# KiCad board raw.kicad_pcb
title: BMS slave Prototype; rev: 1
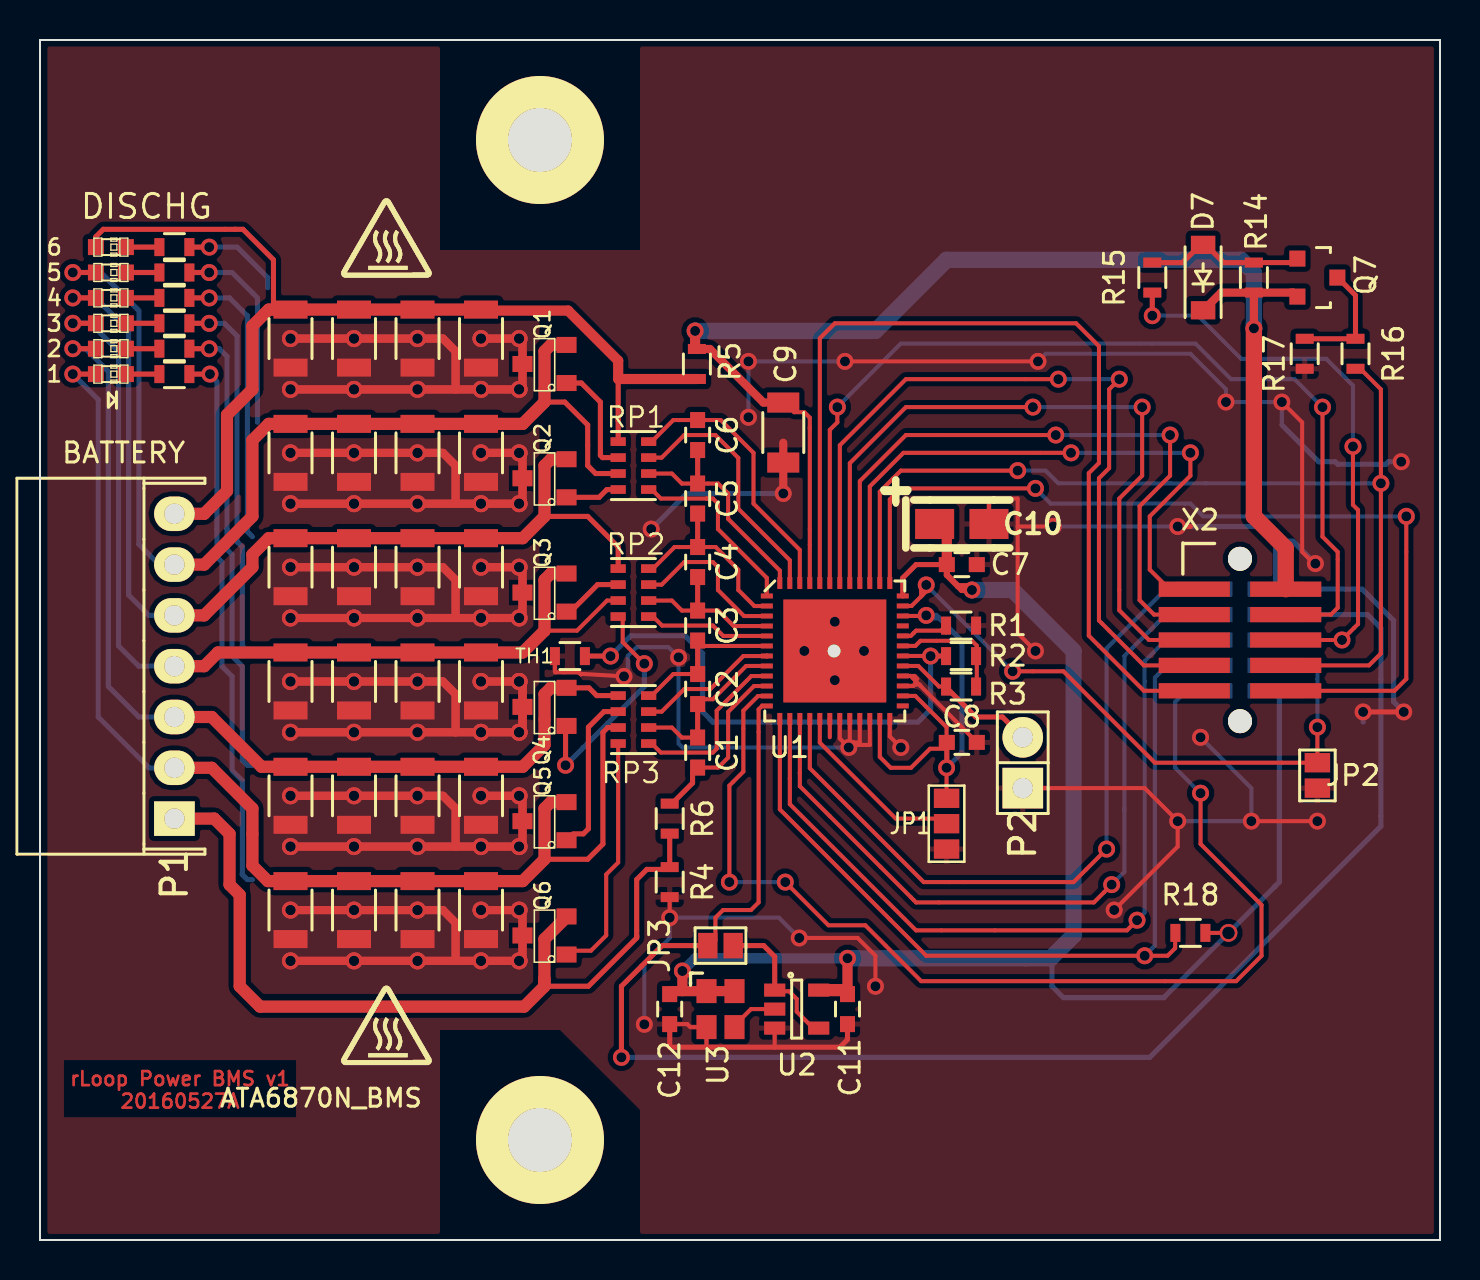
[diagram p0: board, top side]
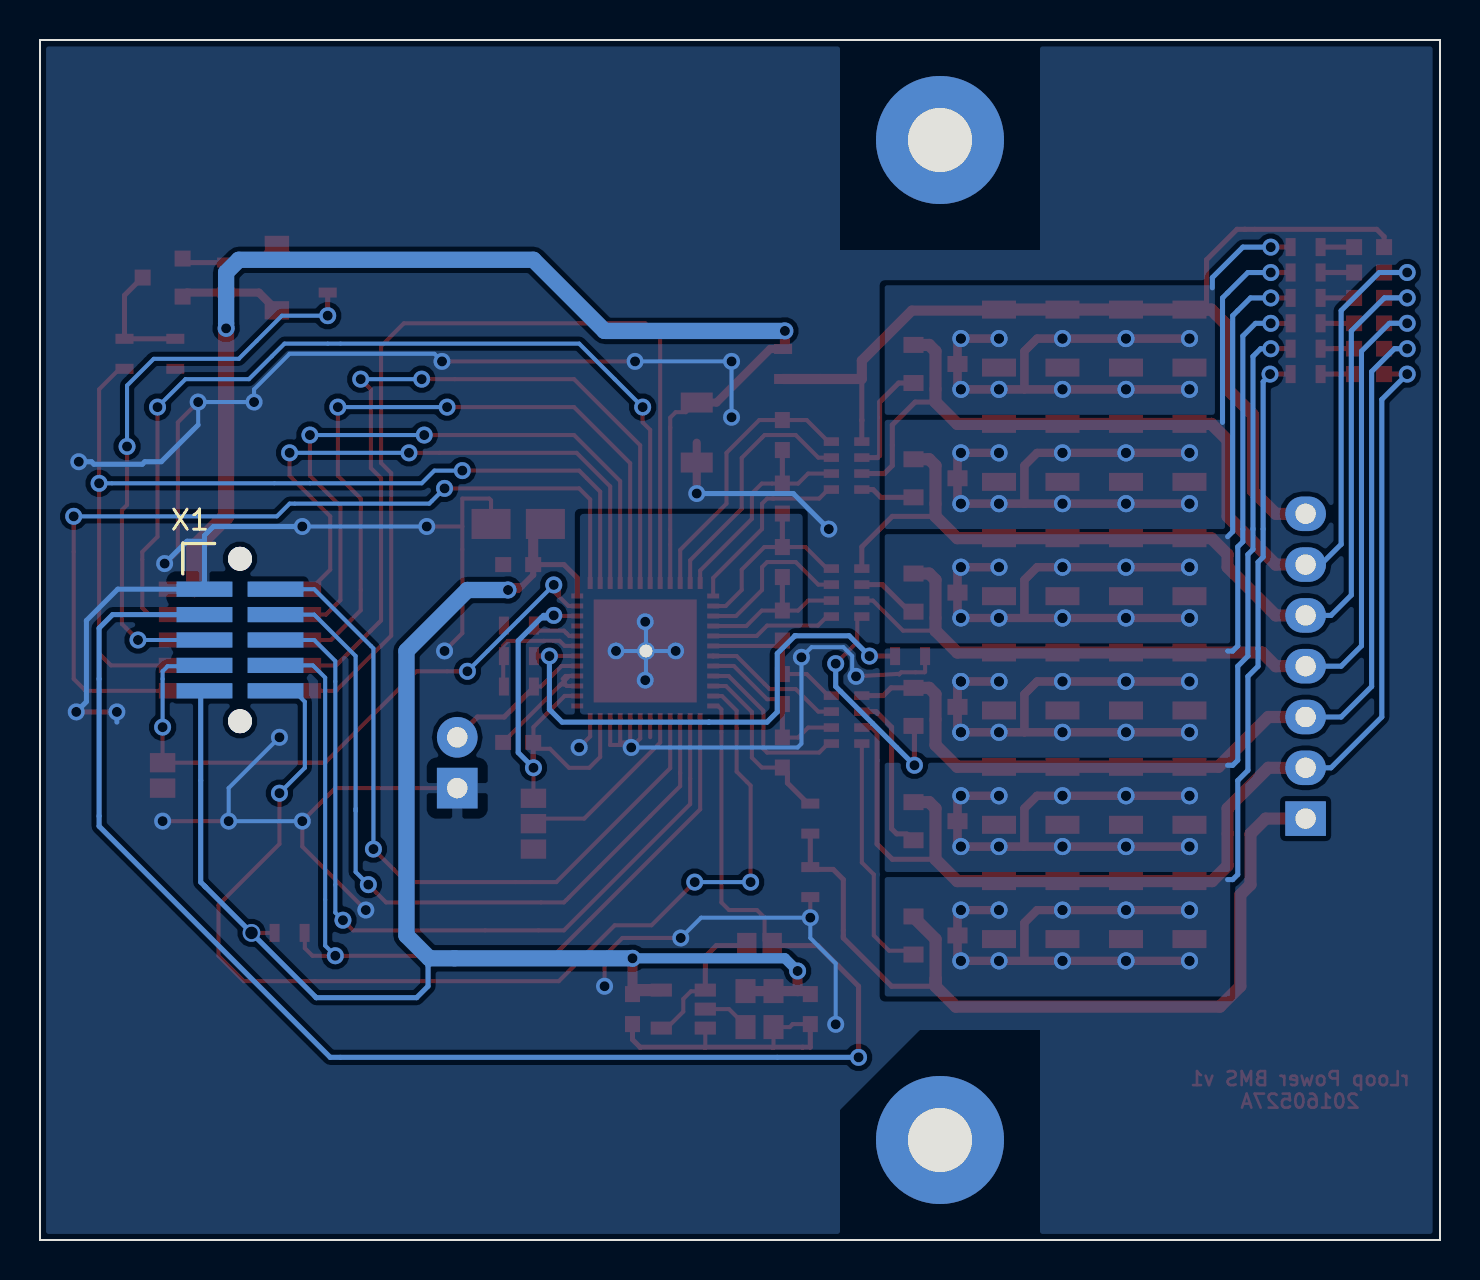
[diagram p1: board, bottom side, seen from below]

Outline 70 x 60 mm; copper layers: Top, Bottom. Coordinates in mm from the lower left corner of the outline.
Outline path: 0,60 0,0 70,0 70,60 0,60

## Placement (name value [footprint] x y rotation side)
28 mil Id via  via  [35-Od-28mil-Id-via]  39.7 29.45 0 top
C1  100nF  [C_0603]  32.88 24.37 270 top
C2  100nF  [C_0603]  32.88 27.55 270 top
C3  100nF  [C_0603]  32.88 30.72 270 top
C4  100nF  [C_0603]  32.88 33.9 270 top
C5  100nF  [C_0603]  32.88 37.07 270 top
C6  100nF  [C_0603]  32.88 40.25 270 top
C7  100nF  [C_0603]  46.09 33.77 0 top
C8  100nF  [C_0603]  46.09 24.88 0 top
C9  10uF PolC  [C_1206]  37.16 40.37 270 top
C10  33uF  [TantalC_SizeA_EIA-3216_Reflow]  46.09 35.8 0 top
C11  100nF  [C_0603]  40.38 11.54 90 top
C12  100nF  [C_0603]  31.49 11.54 270 top
D1  LED  [LED-0603]  3.54 49.64 0 top
D2  LED  [LED-0603]  3.54 48.38 0 top
D3  LED  [LED-0603]  3.54 47.11 0 top
D4  LED  [LED-0603]  3.54 45.83 0 top
D5  LED  [LED-0603]  3.54 44.56 0 top
D6  LED  [LED-0603]  3.54 43.3 0 top
D7  8V Zener  [SOD-123]  58.16 48.12 90 top
danger_hot_small  -  [danger_hot_small]  14.97 52.19 0 top
danger_hot_small#2  -  [danger_hot_small]  14.97 12.81 0 top
JP1  JUMPER3  [GS3]  45.33 20.82 0 top
JP2  Jumper_NC_Small  [GS2]  63.87 23.23 0 top
JP3  Jumper_NC_Small  [GS2]  34.03 14.72 270 top
MH  MountingHole_2-5mm_RevA_Date21Jun2010  [SCREWPAD-M3]  25 5 0 top
MH#2  MountingHole_2-5mm_RevA_Date21Jun2010  [SCREWPAD-M3]  25 55 0 top
P1  CONN_01X07  [Shrouded_Header_Angled_1x07]  6.72 28.69 90 top
P2  EXT-TMP  [Pin_Header_Straight_1x02]  49.14 23.86 90 top
P5  CONN_01X01  [1Pin]  39.7 29.45 0 bottom
Q1  BSS138  [SOT-23]  25.23 43.8 90 top
Q2  BSS138  [SOT-23]  25.23 38.09 90 top
Q3  BSS138  [SOT-23]  25.23 32.37 90 top
Q4  BSS138  [SOT-23]  25.23 26.66 90 top
Q5  BSS138  [SOT-23]  25.23 20.94 90 top
Q6  BSS138  [SOT-23]  25.23 15.23 90 top
Q7  Q_PMOS  [SOT-23#2]  63.87 48.12 270 top
R1  121KΩ  [R_0603]  46.05 30.72 180 top
R2  10KΩ  [R_0603]  46.05 29.2 180 top
R3  10KΩ  [R_0603]  46.05 27.67 180 top
R4  10Ω  [R_0603]  31.49 17.9 90 top
R5  10Ω  [R_0603]  32.85 43.8 270 top
R6  1K  [R_0603]  31.49 21.07 270 top
R7  100Ω  [R_0603]  6.72 43.3 180 top
R8  100Ω  [R_0603]  6.72 44.56 180 top
R9  100Ω  [R_0603]  6.72 45.83 180 top
R10  100Ω  [R_0603]  6.72 47.11 180 top
R11  100Ω  [R_0603]  6.72 48.38 180 top
R12  100Ω  [R_0603]  6.72 49.64 180 top
R13  82.5Ω  [R_1206]  12.53 27.93 270 top
R14  10KΩ  [R_0603]  60.69 48.12 90 top
R15  10KΩ  [R_0603]  55.62 48.12 90 top
R16  150Ω  [R_0603]  65.78 44.31 270 top
R17  10KΩ  [R_0603]  63.24 44.31 90 top
R18  10K  [R_0603]  57.52 15.35 0 top
R20  82.5Ω  [R_1206]  15.7 45.07 270 top
R21  82.5Ω  [R_1206]  12.53 45.07 270 top
R22  82.5Ω  [R_1206]  22.05 45.07 270 top
R23  82.5Ω  [R_1206]  18.88 45.07 270 top
R24  82.5Ω  [R_1206]  12.53 39.36 270 top
R25  82.5Ω  [R_1206]  15.7 39.36 270 top
R26  82.5Ω  [R_1206]  18.88 39.36 270 top
R27  82.5Ω  [R_1206]  22.05 39.36 270 top
R28  82.5Ω  [R_1206]  18.88 33.64 270 top
R29  82.5Ω  [R_1206]  22.05 33.64 270 top
R30  82.5Ω  [R_1206]  15.7 33.64 270 top
R31  82.5Ω  [R_1206]  12.53 33.64 270 top
R32  82.5Ω  [R_1206]  22.05 27.93 270 top
R33  82.5Ω  [R_1206]  18.88 27.93 270 top
R34  82.5Ω  [R_1206]  15.7 27.93 270 top
R35  82.5Ω  [R_1206]  22.05 22.21 270 top
R36  82.5Ω  [R_1206]  12.53 22.21 270 top
R37  82.5Ω  [R_1206]  15.7 22.21 270 top
R38  82.5Ω  [R_1206]  18.88 22.21 270 top
R39  82.5Ω  [R_1206]  18.88 16.5 270 top
R40  82.5Ω  [R_1206]  22.05 16.5 270 top
R41  82.5Ω  [R_1206]  15.7 16.5 270 top
R42  82.5Ω  [R_1206]  12.53 16.5 270 top
RP1  1K_PACK  [R_Cat16-4]  29.67 38.72 180 top
RP2  1K_PACK  [R_Cat16-4]  29.67 32.37 180 top
RP3  1K_PACK  [R_Cat16-4]  29.67 26.02 180 top
TH1  THERMISTOR  [R_0603]  26.5 29.2 180 top
U1  ATA6870N_BMS  [QFN-48-1EP-refined]  39.74 29.45 0 top
U2  D_Flip_Flop_w_Inv_Out  [SOT-23-5]  37.84 11.54 0 top
U3  1MHz Oscillator  [Oscillator_SMD_4_pin_2.5x2mm]  34.03 11.54 270 top
X1  AMPMODU-02X05  [AMPMODU-FEMALE-02X05-0.05in-MECHHOLES]  60 30 180 bottom
X2  AMPMODU-02X05  [AMPMODU-02X05-0.05in-NOHOLES]  60 30 0 top

## Footprints (pads in the part's own frame, mm; a bottom-side part is the same pattern mirrored in y, then rotated)
35-Od-28mil-Id-via
  round 0.889 hole 0.635: 1(0,0)
AMPMODU-02X05-0.05in-NOHOLES
  rect 3.556x0.762 smd: 1(-2.286,2.54) 2(2.286,2.54) 3(-2.286,1.27) 4(2.286,1.27) 5(-2.286,0) 6(2.286,0) 7(-2.286,-1.27) 8(2.286,-1.27) 9(-2.286,-2.54) 10(2.286,-2.54)
AMPMODU-FEMALE-02X05-0.05in-MECHHOLES
  round 1.2 hole 1.2 unplated: (0,-4.06) (0,4.06)
  rect 2.794x0.762 smd: 1(-1.778,2.54) 2(1.778,2.54) 3(-1.778,1.27) 4(1.778,1.27) 5(-1.778,0) 6(1.778,0) 7(-1.778,-1.27) 8(1.778,-1.27) 9(-1.778,-2.54) 10(1.778,-2.54)
C_0603
  rect 0.8x0.75 smd: 1(-0.75,0) 2(0.75,0)
C_1206
  rect 1x1.6 smd: 1(-1.5,0) 2(1.5,0)
GS2
  rect 1.27x0.965 smd: 1(0,0.635) 2(0,-0.635)
GS3
  rect 1.27x0.965 smd: 1(0,1.27) 2(0,0) 3(0,-1.27)
LED-0603
  rect 0.798x0.798 smd: 1(-0.749,0) 2(0.749,0)
Oscillator_SMD_4_pin_2.5x2mm
  rect 1.2x1 smd: 1(-0.9,-0.7) 2(0.9,-0.7) 3(0.9,0.7) 4(-0.9,0.7)
Pin_Header_Straight_1x02
  rect 2.032x2.032 hole 1.016: 1(-1.27,0)
  oval 2.032x2.032 hole 1.016: 2(1.27,0)
QFN-48-1EP-refined
  rect 1.7x1.7 smd: (-1.27,1.27) (-1.27,-1.27) (1.27,1.27) (1.27,-1.27)
  rect 0.599x0.249 smd: 1(-3.399,2.748) 2(-3.399,2.248) 3(-3.399,1.748) 4(-3.399,1.247) 5(-3.399,0.749) 6(-3.399,0.249) 7(-3.399,-0.251) 8(-3.399,-0.752) 9(-3.399,-1.252) 10(-3.399,-1.753) 11(-3.399,-2.253) 12(-3.399,-2.751) 25(3.399,-2.748) 26(3.401,-2.248) 27(3.401,-1.75) 28(3.401,-1.25) 29(3.401,-0.749) 30(3.401,-0.249) 31(3.401,0.251) 32(3.401,0.752) 33(3.399,1.252) 34(3.399,1.75) 35(3.399,2.25) 36(3.399,2.751)
  rect 0.249x0.599 smd: 13(-2.748,-3.401) 14(-2.248,-3.401) 15(-1.748,-3.401) 16(-1.25,-3.401) 17(-0.749,-3.401) 18(-0.25,-3.4) 19(0.249,-3.401) 20(0.749,-3.401) 21(1.25,-3.401) 22(1.75,-3.401) 23(2.25,-3.401) 24(2.751,-3.401) 37(2.751,3.399) 38(2.25,3.399) 39(1.75,3.399) 40(1.252,3.399) 41(0.752,3.399) 42(0.251,3.399) 43(-0.249,3.399) 44(-0.749,3.399) 45(-1.25,3.399) 46(-1.75,3.399) 47(-2.248,3.399) 48(-2.748,3.399)
  rect 5.15x5.15 smd: 49(0,0)
R_0603
  rect 0.5x0.9 smd: 1(-0.75,0) 2(0.75,0)
R_1206
  rect 0.9x1.7 smd: 1(-1.45,0) 2(1.45,0)
R_Cat16-4
  rect 0.762x0.432 smd: 1(0.762,-1.199) 2(0.762,-0.399) 3(0.762,0.399) 4(0.762,1.199) 5(-0.762,1.199) 6(-0.762,0.399) 7(-0.762,-0.399) 8(-0.762,-1.199)
SCREWPAD-M3
  round 6.4 hole 3.2: 1(0,0)
Shrouded_Header_Angled_1x07
  rect 1.727x2.032 hole 1.016: 1(-7.62,0)
  oval 1.727x2.032 hole 1.016: 2(-5.08,0) 3(-2.54,0) 4(0,0) 5(2.54,0) 6(5.08,0) 7(7.62,0)
SOD-123
  rect 0.91x1.22 smd: 1(-1.635,0) 2(1.635,0)
SOT-23
  rect 0.8x1.001 smd: 1(-0.953,-1.1) 2(0.953,-1.1) 3(0,1.1)
SOT-23#2
  rect 0.8x0.8 smd: 1(-0.95,-1.001) 2(0.95,-1.001) 3(0,0.998)
SOT-23-5
  rect 1.06x0.65 smd: 1(-1.1,0.95) 2(-1.1,0) 3(-1.1,-0.95) 4(1.1,-0.95) 5(1.1,0.95)
TantalC_SizeA_EIA-3216_Reflow
  rect 1.951x1.501 smd: 1(-1.359,0) 2(1.359,0)

## Nets
+3.3V: C7.1 C10.1 C11.2 C12.1 R18.2 U1.36 U2.5 U3.1 U3.4 X1.9
GND: C7.2 C8.2 C9.2 C10.2 C11.1 C12.2 JP1.3 JP2.2 P2.1 R1.1 R4.1 R17.1 TH1.2 U1.19 U1.20 U1.21 U1.22 U1.24 U1.27 U1.28 U2.3 U3.2 X1.1
VDD: C8.1 JP1.1 U1.23 U1.26 U1.34
VDD-HIGHER: U1.37 X2.10
+BATT: C9.1 D7.1 Q7.2 R5.1 R14.1 U1.45 X2.2
/DISCH1: RP3.5 U1.9
/DISCH2: RP3.7 U1.7
/DISCH3: RP2.5 U1.5
/DISCH4: RP2.7 U1.3
/DISCH5: RP1.5 U1.1
/DISCH6: RP1.7 U1.47
CLK: JP3.2 U1.12 X1.3
CLK-HIGHER: U1.43 X2.4
CS-HIGHER: U1.42 X2.7
CS-LOWER: R18.1 U1.13 X1.8
IRQ-HIGHER: U1.44 X2.9
IRQ-LOWER: U1.11 X1.10
MISO-HIGHER: U1.39 X2.1
MISO-LOWER: U1.16 X1.2
MOSI-HIGHER: U1.40 X2.3
MOSI-LOWER: U1.15 X1.4
PD-HIGHER: R16.2 U1.38 X2.8
PD-LOWER: JP2.1 U1.35 X1.7
PD-MASTER: R15.1 X1.5 X2.6
SCK-HIGHER: U1.41 X2.5
SCK-LOWER: U1.14 X1.6
ThermalGnd: 28 mil Id via.1
Net-(C1-Pad1): C1.1 C2.2 RP3.6 U1.8
Net-(C1-Pad2): C1.2 R6.1 U1.10
Net-(C2-Pad1): C2.1 C3.2 RP3.8 U1.6
Net-(C3-Pad1): C3.1 C4.2 RP2.6 U1.4
Net-(C4-Pad1): C4.1 C5.2 RP2.8 U1.2
Net-(C5-Pad1): C5.1 C6.2 RP1.6 U1.48
Net-(C6-Pad1): C6.1 RP1.8 U1.46
Net-(D1-Pad1): D1.1 P1.7 R5.2 R20.1 R21.1 R22.1 R23.1 RP1.1
Net-(D1-Pad2): D1.2 R12.2
Net-(D2-Pad1): D2.1 P1.6 Q1.2 R24.1 R25.1 R26.1 R27.1 RP1.3
Net-(D2-Pad2): D2.2 R11.2
Net-(D3-Pad1): D3.1 P1.5 Q2.2 R28.1 R29.1 R30.1 R31.1 RP2.1
Net-(D3-Pad2): D3.2 R10.2
Net-(D4-Pad1): D4.1 P1.4 Q3.2 R13.1 R32.1 R33.1 R34.1 RP2.3
Net-(D4-Pad2): D4.2 R9.2
Net-(D5-Pad1): D5.1 P1.3 Q4.2 R35.1 R36.1 R37.1 R38.1 RP3.1
Net-(D5-Pad2): D5.2 R8.2
Net-(D6-Pad1): D6.1 P1.2 Q5.2 R39.1 R40.1 R41.1 R42.1 RP3.3
Net-(D6-Pad2): D6.2 R7.2
Net-(D7-Pad2): D7.2 Q7.1 R14.2 R15.2
Net-(JP1-Pad2): JP1.2 U1.17
Net-(JP3-Pad1): JP3.1 U2.1 U2.4
Net-(P1-Pad1): P1.1 Q6.2 R4.2 R6.2
Net-(P2-Pad2): P2.2 R3.2 U1.29
Net-(Q1-Pad1): Q1.1 RP1.2
Net-(Q1-Pad3): Q1.3 R12.1 R20.2 R21.2 R22.2 R23.2
Net-(Q2-Pad1): Q2.1 RP1.4
Net-(Q2-Pad3): Q2.3 R11.1 R24.2 R25.2 R26.2 R27.2
Net-(Q3-Pad1): Q3.1 RP2.2
Net-(Q3-Pad3): Q3.3 R10.1 R28.2 R29.2 R30.2 R31.2
Net-(Q4-Pad1): Q4.1 RP2.4
Net-(Q4-Pad3): Q4.3 R9.1 R13.2 R32.2 R33.2 R34.2
Net-(Q5-Pad1): Q5.1 RP3.2
Net-(Q5-Pad3): Q5.3 R8.1 R35.2 R36.2 R37.2 R38.2
Net-(Q6-Pad1): Q6.1 RP3.4
Net-(Q6-Pad3): Q6.3 R7.1 R39.2 R40.2 R41.2 R42.2
Net-(Q7-Pad3): Q7.3 R16.1 R17.2
Net-(R1-Pad2): R1.2 U1.32
Net-(R2-Pad1): R2.1 R3.1 U1.31
Net-(R2-Pad2): R2.2 TH1.1 U1.30
Net-(U2-Pad2): U2.2 U3.3

Pads without a net: MH 1; MH#2 1; U1 18 25 33 49

## Via types
v1: diameter 0.85, hole 0.5, Top to Bottom, 204 vias
v2: diameter 0.889, hole 0.635, Top to Bottom, 1 via

## Routing (per net, layer and track width the routed paths; a pad name or vN(x,y) marks a point on that pad's centre or on a via; arc(x,y) is an arc through that point)
+3.3V: length 83.8
  Top w0.203: R18.2 v2(59.43,15.35)
  Top w0.254: C7.1 43.8,33.77 43.14,33.1 U1.36
  Top w0.305: 45.9,32.69 45.34,33.25 C7.1 ; 45.9,32.69 46.09,32.5 v1(46.6,32.5) 46.6,32.63 46.53,32.69 45.9,32.69
  Top w0.508: 31.49,12.18 C12.1 31.49,12.31 31.62,12.44 32.12,12.44 ; 32.12,12.44 33.32,12.44 33.26,12.43 33.27,12.44 U3.4 ; 32.12,12.44 v1(32.12,13.45) ; C10.1 44.95,35.67 45.34,35.28 C7.1 ; C11.2 v1(40.38,14.09)
  Top w0.61: C11.2 40.38,12.31 40.19,12.5 38.94,12.5
  Bottom w0.254: 61.78,17.71 61.71,17.64 ; 61.71,17.64 v2(59.43,15.35) 56.19,12.12 ; 61.71,17.64 61.97,17.9 61.97,27.23 61.84,27.36 X1.9 ; 56.19,12.12 56.25,12.18 ; 56.19,12.12 51.17,12.12 50.6,12.69 50.6,14.09 50.53,14.09
  Bottom w0.508: v1(32.12,13.45) 32.75,14.09 v1(40.38,14.09)
  Bottom w0.813: v1(46.6,32.5) 48.63,32.5 51.68,29.45 51.68,15.23 50.53,14.09 v1(40.38,14.09)
GND: length 200
  Top w0.203: 43.97,27.76 44.03,27.7 43.77,27.97 ; 43.97,27.76 43.97,27.78 43.77,27.78 ; 43.97,27.76 46.84,24.89 C8.2 ; v1(43.04,24.63) 42.49,25.18 U1.24 ; 43.77,27.97 43.53,28.2 U1.28 43.72,28.2 43.87,28.06 ; 43.77,27.97 43.77,27.78 ; 48.88,35.67 48.88,37.07 47.54,37.07 47.45,36.98 C10.2 ; 48.88,35.67 v1(50.66,35.67) ; 48.88,35.67 48.88,30.34 v1(49.77,29.45) ; 31.9,29.14 v1(31.93,29.13) ; v1(62.09,41.9) 63.11,40.88 63.11,34.41 63.69,33.82 v1(63.77,33.82) ; v1(60.57,20.94) v1(63.87,20.94) ; v1(53.71,16.5) 56.88,19.67 v1(56.88,20.94) 55.23,22.59 P2.1 ; v1(37.96,15.1) 40.88,15.1 41.77,14.21 v1(41.77,12.69) ; 36.74,9.64 36.74,9.65 U2.3 ; 33.34,9.64 33.32,9.65 33.32,10.65 32.51,10.65 32.36,10.79 C12.2 ; 40.71,24.58 40.44,24.58 ; 43.65,27.7 43.64,27.7 ; 43.65,27.7 43.65,27.7 43.77,27.81 43.77,27.78 ; 43.65,27.7 U1.27 ; v1(40.44,24.63) 39.99,25.08 U1.19 ; v1(40.44,24.63) 40.49,24.68 U1.20 ; v1(40.44,24.63) 40.69,24.88 40.99,24.88 ; v1(40.44,24.63) 40.57,24.75 41.49,24.75 ; 40.99,24.88 40.99,24.86 ; 40.99,24.88 U1.21 ; 41.49,24.75 41.49,24.75 ; 41.49,24.75 U1.22 ; TH1.2 25.75,28.41 25.77,28.39 26.94,28.39 27.04,28.28 27.04,28.31 v1(29.2,28.18) ; R4.1 v1(31.49,16.12) ; v1(49.9,43.93) v1(40.25,43.93)
  Top w0.254: 40.38,10.91 C11.1 40.38,10.02 39.99,9.64 31.49,9.64 31.49,10.91 C12.2 ; v1(56.88,35.67) 57.52,35.67 ; v1(68.19,26.4) v1(66.16,26.4)
  Top w0.406: v1(37.16,37.32) C9.2 37.16,39.86
  Bottom w0.203: v1(40.44,24.63) 32.12,24.63 31.93,24.82 v1(31.93,29.13) ; v1(37.96,15.1) 36.95,16.12 v1(31.49,16.12) 31.49,15.1 30.22,13.83 v1(30.22,10.78) ; v1(49.9,43.93) 50.28,44.31 57.52,44.31 59.3,42.53 v1(59.3,41.9) v1(62.09,41.9) 62.09,40.75 ; v1(40.25,43.93) v1(35.42,43.93) v1(35.42,41.14) ; v1(58.03,25.13) 60.57,22.59 v1(60.57,20.94) v1(56.88,20.94) ; v1(29.2,28.18) 29.39,28.37 29.39,29.2 29.83,29.64 31.42,29.64 v1(31.93,29.13) ; v1(31.93,29.13) 31.93,28.92 ; v1(56.88,35.67) v1(50.66,35.67)
  Bottom w0.254: v1(30.56,35.55) 32.34,37.32 v1(37.16,37.32) ; v1(56.88,35.67) 61.33,35.67 61.78,35.23 61.78,34.94 ; v1(68.19,26.4) 67.68,26.91 67.68,30.98 66.12,32.54 X1.1 61.78,34.94 ; v1(66.16,26.4) 66.16,25.9 ; 61.78,34.94 62.65,34.94 v1(63.77,33.82) ; 62.09,40.75 63.93,38.91 64.76,38.91 64.89,38.79 67.3,38.79 67.43,38.91 v1(68.06,38.91)
VDD: length 23.4
  Top w0.203: v1(44.31,31.23) 44.28,31.2 U1.34 ; U1.26 43.77,27.2 45.33,25.64 45.33,24.89 C8.1 45.33,24.82 45.33,24.56 44.5,24.56 43.55,23.61 42.53,23.61 41.99,24.15 U1.23 ; v1(45.33,23.61) JP1.1
  Top w0.254: v1(45.33,23.61) 45.34,23.62 C8.1
  Bottom w0.254: 44.95,31.1 44.82,31.23 v1(44.31,31.23) 44.44,31.1 44.95,31.1 ; 44.95,31.1 46.09,29.96 46.09,24.37 v1(45.33,23.61)
VDD-HIGHER: length 45.2
  Top w0.203: v1(49.77,37.58) 43.04,37.58 42.49,37.03 U1.37 ; v1(68.31,36.18) 68.31,28.06 67.72,27.46 X2.10
  Bottom w0.203: v1(49.77,37.58) 50.53,36.82 57.52,36.82 58.16,36.18 v1(68.31,36.18)
(no net): length 0.9
  Top w0.203: U1.18 39.49,25.14
+BATT: length 69.5
  Top w0.203: 38.49,40.63 38.49,40.54 ; 38.49,40.63 38.49,41.12 38.22,41.39 37.71,41.39 37.33,41.77 37.2,41.77 C9.1 ; 38.49,40.63 U1.45
  Top w0.406: C9.1 36.17,41.87 33.49,44.55 R5.1 ; R14.1 v1(60.69,45.58) ; R14.1 62.65,47.37 62.85,47.17 62.87,47.17 ; R14.1 59.06,47.37 58.22,46.53 D7.1
  Top w0.508: v1(32.75,45.45) 32.75,44.69 32.85,44.6 R5.1
  Top w0.813: X2.2 62.29,34.59 60.69,36.18 v1(60.69,45.58)
  Bottom w0.813: v1(60.69,45.58) 60.69,48.38 60.06,49.01 45.33,49.01 41.77,45.45 v1(32.75,45.45)
/DISCH1: length 8.8
  Top w0.203: RP3.5 30.47,24.82 30.6,24.82 31.04,24.37 33.64,24.37 33.83,24.56 33.83,26.47 35.57,28.2 U1.9
/DISCH2: length 7.1
  Top w0.203: U1.7 36.34,29.2 35.17,29.2 33.52,27.55 32.21,27.55 31.09,26.42 RP3.7
  Top w0.254: 36.34,29.2 U1.7
/DISCH3: length 6.3
  Top w0.203: RP2.5 30.47,31.17 30.66,31.17 31.1,30.72 33.64,30.72 34.16,30.2 U1.5
/DISCH4: length 8.2
  Top w0.203: RP2.7 31.09,32.77 32.21,33.9 33.64,33.9 33.9,33.64 33.9,32.5 35.2,31.2 U1.3
/DISCH5: length 9.4
  Top w0.203: 33.33,37.07 33.39,37.07 ; 33.33,37.07 33.64,37.07 33.9,36.82 33.9,35.55 36.34,33.1 U1.1 ; 33.33,37.07 31.04,37.07 30.6,37.52 30.47,37.52 RP1.5
/DISCH6: length 12.7
  Top w0.203: RP1.7 31.09,39.12 32.21,40.25 33.77,40.25 34.91,39.1 34.91,36.56 37.49,33.99 U1.47
CLK: length 81.1
  Top w0.203: JP3.2 33.77,14.97 33.77,16.12 34.15,16.5 35.55,16.5 35.93,16.88 35.93,26.53 36.1,26.7 U1.12
  Top w0.254: JP3.2 31.1,14.72 29.07,12.69 v1(29.07,9.13)
  Bottom w0.254: v1(29.07,9.13) 55.49,9.13 67.04,20.69 67.04,30.59 66.37,31.27 X1.3
CLK-HIGHER: length 48.9
  Top w0.203: v1(39.87,41.64) 39.87,40.88 39.49,40.51 U1.43 ; v1(64.12,41.64) 64.12,35.17 64.89,34.41 64.89,31.61 64.54,31.27 X2.4
  Bottom w0.203: v1(39.87,41.64) 43.04,44.82 57.77,44.82 59.55,43.04 62.73,43.04 v1(64.12,41.64)
CS-HIGHER: length 40.4
  Top w0.203: v1(53.96,43.04) 53.46,42.53 53.46,38.6 52.95,38.09 52.95,30.98 55.19,28.73 X2.7 ; v1(50.92,43.04) 43.3,43.04 39.99,39.74 U1.42
  Bottom w0.203: v1(53.96,43.04) v1(50.92,43.04)
CS-LOWER: length 45.1
  Top w0.203: U1.13 36.99,21.53 44.31,14.21 v1(55.23,14.21) 56.38,14.21 56.76,14.59 56.76,15.35 R18.1
  Bottom w0.203: v1(55.23,14.21) 55.74,14.72 55.74,28.12 56.35,28.73 X1.8
IRQ-HIGHER: length 48.1
  Top w0.203: X2.9 55.19,27.46 52.44,30.21 52.44,38.34 52.95,38.85 52.95,44.69 51.81,45.83 39.74,45.83 38.99,45.09 U1.44
IRQ-LOWER: length 55.7
  Top w0.203: v1(37.26,17.9) 39.42,15.74 41.26,15.74 44.06,12.94 59.81,12.94 61.08,14.21 61.08,16.75 58.03,19.8 v1(58.03,22.34) ; U1.11 35.9,27.2 35.17,26.47 35.17,23.42 34.47,22.72 v1(34.47,17.9)
  Bottom w0.203: v1(34.47,17.9) v1(37.26,17.9) ; v1(58.03,22.34) 56.76,23.61 56.76,26.91 57.31,27.46 X1.10
MISO-HIGHER: length 30.9
  Top w0.203: v1(57.52,39.36) 57.52,38.22 55.49,36.18 55.49,33.52 56.46,32.54 X2.1 ; v1(51.55,39.36) 43.17,39.36 41.49,37.68 U1.39
  Bottom w0.203: v1(51.55,39.36) v1(57.52,39.36)
MISO-LOWER: length 36.5
  Top w0.203: U1.16 38.49,23.59 44.19,17.9 51.68,17.9 v1(53.33,19.55)
  Bottom w0.203: v1(53.33,19.55) 53.33,29.58 56.29,32.54 X1.2
MOSI-HIGHER: length 33.5
  Top w0.203: v1(56.5,40.25) 56.5,38.22 54.98,36.69 54.98,31.99 55.7,31.27 X2.3 ; v1(50.79,40.25) 43.3,40.25 40.99,37.94 U1.40
  Bottom w0.203: v1(56.5,40.25) v1(50.79,40.25)
MOSI-LOWER: length 38.6
  Top w0.203: 37.99,23.36 37.99,23.33 ; 37.99,23.36 U1.15 ; 37.99,23.36 37.99,22.69 43.8,16.88 52.69,16.88 v1(53.58,17.77)
  Bottom w0.203: v1(53.58,17.77) 54.22,18.4 54.22,21.58 54.22,21.45 54.22,29.2 56.29,31.27 X1.4
PD-HIGHER: length 50.4
  Top w0.203: v1(48.88,38.47) 43.04,38.47 41.99,37.42 U1.38 ; R16.2 65.78,43.55 66.03,43.55 67.04,42.53 v1(67.04,37.83) 67.04,29.32 66.45,28.73 X2.8
  Bottom w0.203: v1(48.88,38.47) 50.28,38.47 50.92,37.83 v1(67.04,37.83) 66.92,37.83
PD-LOWER: length 33
  Top w0.203: 44.31,32.5 v1(44.31,32.75) ; v1(44.31,32.75) 44.31,32.44 44.06,32.18 ; v1(44.31,32.75) 44.06,32.5 44.06,32.18 ; v1(48.63,28.44) 51.17,28.44 55.74,23.86 JP2.1 v1(63.87,25.64) ; 43.55,31.7 U1.35 ; 43.55,31.7 43.51,31.7 ; 43.55,31.7 43.58,31.7 44.12,32.25 44.06,32.18
  Bottom w0.203: X1.7 62.09,28.69 63.62,28.69 63.87,28.44 v1(63.87,25.64) ; v1(48.63,28.44) v1(44.31,32.75)
PD-MASTER: length 31.9
  Top w0.203: 65.9,30.8 v1(65.1,30) X2.6 ; 65.9,30.8 65.9,30.8 ; 65.9,30.8 65.9,36.5 65.65,36.75 v1(65.65,39.68) ; 55.62,47.36 R15.1
  Top w0.254: 55.62,47.36 v1(55.62,46.22)
  Bottom w0.203: v1(65.1,30) X1.5 ; v1(55.62,46.22) 57.9,46.22 60.06,44.06 64.31,44.06 65.65,42.72 v1(65.65,39.68)
SCK-HIGHER: length 36.8
  Top w0.203: v1(49.65,41.64) 43.3,41.64 40.49,38.84 U1.41 ; v1(55.11,41.64) 55.11,38.22 53.96,37.07 53.96,31.48 55.45,30 X2.5
  Bottom w0.203: v1(55.11,41.64) v1(49.65,41.64)
SCK-LOWER: length 41
  Top w0.203: v1(54.85,15.99) 54.34,15.48 43.8,15.48 37.49,21.79 37.49,23.06 ; 37.49,23.06 U1.14 ; 37.49,23.06 37.49,23.06
  Bottom w0.203: v1(54.85,15.99) 55.23,16.37 55.23,28.94 56.29,30 X1.6
ThermalGnd: length 11.8
  Top w0.203: v1(38.22,29.45) 39.74,29.45 ; 39.74,29.45 v1(39.74,30.91) ; 39.74,29.45 v1(41.2,29.45) ; 39.74,29.45 v1(39.74,27.99)
  Bottom w0.203: v1(38.22,29.45) 38.22,29.45 28 mil Id via.1 ; v1(39.74,30.91) 39.7,30.88 28 mil Id via.1 ; v1(41.2,29.45) 41.2,29.45 28 mil Id via.1 ; v1(39.74,27.99) 39.7,28.03 28 mil Id via.1
Net-(C1-Pad1): length 8.6
  Top w0.203: RP3.6 31.59,25.62 32.09,25.12 C1.1 ; U1.8 35.31,28.7 33.64,27.04 33.14,27.04 32.89,26.8 C2.2
  Top w0.254: C1.1 C2.2
Net-(C1-Pad2): length 9
  Top w0.203: 32.63,23.36 C1.2 33.91,23.62 34.41,24.12 34.41,26.4 35.7,27.7 U1.10 ; R6.1 31.6,21.82
  Top w0.254: 32.85,23.59 C1.2 ; 31.6,21.82 32.63,22.85 32.63,23.36
Net-(C2-Pad1): length 8.3
  Top w0.203: 33.64,29.7 33.65,29.7 ; 33.64,29.7 U1.6 ; 33.64,29.7 33.08,29.7 32.88,29.9 C3.2 ; 30.53,27.23 30.47,27.23 ; 30.47,27.23 RP3.8 30.47,27.23 ; 30.47,27.23 30.6,27.23 31.66,28.3 C2.1
  Top w0.254: C2.1 C3.2
Net-(C3-Pad1): length 8.1
  Top w0.203: RP2.6 31.59,31.97 32.09,31.47 C3.1 33.91,31.47 34.68,30.7 U1.4
  Top w0.254: C3.1 C4.2
Net-(C4-Pad1): length 9.9
  Top w0.203: 31.93,34.65 31.95,34.65 ; 31.93,34.65 C4.1 33.78,34.65 34.91,33.52 34.91,32.5 35.71,31.7 U1.2 ; 31.93,34.65 31.73,34.65 30.66,33.58 30.47,33.58 RP2.8
  Top w0.254: C4.1 C5.2
Net-(C5-Pad1): length 11.6
  Top w0.203: RP1.6 31.59,38.32 32.09,37.82 C5.1 33.91,37.82 34.41,37.33 34.41,36.06 36.99,33.47 U1.48
  Top w0.254: C5.1 C6.2
Net-(C6-Pad1): length 13.8
  Top w0.203: 31.93,41 31.95,41 ; 31.93,41 31.66,41 30.6,39.93 RP1.8 ; 31.93,41 C6.1 34.04,41 35.68,39.36 35.68,36.82 37.99,34.5 U1.46
Net-(D1-Pad1): length 53
  Top w0.203: 28.92,39.93 RP1.1
  Top w0.254: 28.91,41.01 28.91,40.98 ; 28.91,40.98 RP1.1 ; 28.91,40.98 28.91,43.05 28.91,43.05 ; 21.96,46.47 R22.1 ; 30.98,43.05 30.95,43.05 ; 9.77,50.53 9.73,50.53 ; 9.77,50.53 10.15,50.53 11.67,49.01 11.67,46.52 ; 9.77,50.53 3.16,50.53 2.8,50.17 D1.1
  Top w0.508: 21.96,46.47 26.41,46.47 28.91,43.97 28.91,43.05 ; R5.2 28.91,43.05
  Top w0.61: 12.07,46.52 R21.1 ; R21.1 11.44,46.52 10.62,45.71 10.62,42.53 9.35,41.26 9.35,37.45 8.21,36.31 P1.7 ; R21.1 R20.1 R23.1 R22.1
Net-(D1-Pad2): length 1.7
  Top w0.254: D1.2 R12.2
Net-(D2-Pad1): length 53.4
  Top w0.254: RP1.3 27.78,38.32 27.38,38.72 27.38,40.75 26.24,41.9 25.23,41.9 ; D2.1 v1(1.64,48.38)
  Top w0.61: Q1.2 25.54,44.75 25.23,44.44 25.23,41.9 24.14,40.81 R27.1 R26.1 R25.1 R24.1 11.44,40.81 10.62,39.99 10.62,36.18 8.21,33.77 P1.6
  Bottom w0.254: v1(1.64,48.38) 3.04,48.38 4.94,46.47 4.94,34.79 5.96,33.77 P1.6
Net-(D2-Pad2): length 1.7
  Top w0.254: D2.2 R11.2
Net-(D3-Pad1): length 50.6
  Top w0.254: 25.23,36.18 27.38,36.18 28.91,34.66 RP2.1 ; v1(1.64,47.11) D3.1
  Top w0.61: P1.5 8.21,31.23 10.62,33.64 10.62,34.28 11.44,35.09 R31.1 R30.1 R28.1 R29.1 24.14,35.09 25.23,36.18 25.23,38.72 25.54,39.04 Q2.2
  Bottom w0.254: v1(1.64,47.11) 2.78,47.11 4.43,45.45 4.43,32.25 5.45,31.23 P1.5
Net-(D3-Pad2): length 1.7
  Top w0.254: D3.2 R10.2
Net-(D4-Pad1): length 49.4
  Top w0.203: 25.23,30.47 26.85,30.47 28.35,31.97 RP2.3
  Top w0.254: v1(1.64,45.83) D4.1
  Top w0.61: 12.47,29.32 R13.1 ; R13.1 8.9,29.38 8.21,28.69 P1.4 ; R13.1 R34.1 R33.1 R32.1 24.14,29.38 25.23,30.47 25.23,33.01 25.54,33.32 Q3.2
  Bottom w0.254: v1(1.64,45.83) 2.53,45.83 3.93,44.44 3.93,29.71 4.94,28.69 P1.4
Net-(D4-Pad2): length 1.7
  Top w0.254: D4.2 R9.2
Net-(D5-Pad1): length 49.6
  Top w0.254: Q4.2 27.45,27.61 27.84,27.22 RP3.1 ; D5.1 v1(1.64,44.56)
  Top w0.61: P1.3 8.59,26.15 11.08,23.66 R36.1 R37.1 R38.1 R35.1 24.14,23.66 25.23,24.75 25.23,27.29 25.54,27.61 Q4.2
  Bottom w0.254: P1.3 4.94,26.15 3.42,27.67 3.42,43.42 2.28,44.56 v1(1.64,44.56)
Net-(D5-Pad2): length 1.7
  Top w0.254: D5.2 R8.2
Net-(D6-Pad1): length 60.1
  Top w0.254: 25.23,19.04 27.38,19.04 28.15,19.8 28.15,25.39 28.38,25.62 RP3.3 ; v1(1.64,43.3) D6.1
  Top w0.61: Q5.2 25.54,21.89 25.23,21.58 25.23,19.04 24.14,17.95 R40.1 R39.1 R41.1 R42.1 11.39,17.95 10.62,18.72 10.62,21.58 8.59,23.61 P1.2
  Bottom w0.254: v1(1.64,43.3) 2.91,42.03 2.91,26.15 5.45,23.61 P1.2
Net-(D6-Pad2): length 1.7
  Top w0.254: D6.2 R7.2
Net-(D7-Pad2): length 8.1
  Top w0.203: 62.59,48.87 62.85,49.14 Q7.1 ; 58.41,49.64 D7.2 57.9,49.64
  Top w0.254: 58.41,49.64 59.18,48.87 R14.2 62.59,48.87 ; 57.9,49.64 57.13,48.87 R15.2
Net-(JP1-Pad2): length 9.8
  Top w0.203: 44.82,21.07 JP1.2 45.07,21.07 42.79,21.07 38.99,24.87 U1.17
Net-(JP3-Pad1): length 7.3
  Top w0.203: 36.74,12.5 36.82,12.43 37.45,12.43 37.84,12.05 37.84,11.42 38.66,10.59 U2.4 ; 34.91,14.72 JP3.1
  Top w0.254: 34.91,14.72 36.18,14.72 36.74,14.17 36.74,12.5
Net-(P1-Pad1): length 44.2
  Top w0.203: 31.49,20.18 31.61,20.31 R6.2
  Top w0.254: 29.83,15.17 29.83,18.02 30.34,18.53 31.36,18.53 R4.2 31.49,20.18 ; 29.83,15.17 29.83,15.23 ; 29.83,15.17 29.83,15.1 27.42,12.69 25.33,12.69 25.26,12.75 25.26,13.07 25.22,13.07 ; 25.26,12.81 25.22,12.81
  Top w0.61: Q6.2 26.32,16.14 25.22,15.04 25.22,12.81 25.22,13.07 25.22,12.68 24.21,11.67 11,11.67 9.99,12.69 9.99,17.26 9.48,17.77 9.48,20.31 8.71,21.07 P1.1
Net-(P2-Pad2): length 7.5
  Top w0.203: 45.34,27.67 44.95,27.67 43.92,28.7 U1.29
  Top w0.254: P2.2 48.12,26.15 46.79,26.15 45.3,27.64 R3.2
Net-(Q1-Pad1): length 5.7
  Top w0.254: Q1.1 27.07,42.85 28.02,41.9 28.02,39.23 28.13,39.12 RP1.2
Net-(Q1-Pad3): length 57.9
  Top w0.254: v1(8.46,49.64) 8.46,49.64 R12.1
  Top w0.406: v1(15.7,45.07) v1(18.88,45.07) ; v1(15.7,45.07) v1(12.53,45.07) v1(15.7,45.07) ; v1(15.7,45.07) v1(18.88,45.07) ; v1(18.88,45.07) 20.15,45.07 ; v1(18.88,45.07) 20.15,45.07 ; 24.13,42.7 Q1.3 ; 24.13,42.7 v1(23.96,42.53) ; 24.13,42.7 v1(23.96,42.53) ; 24.13,42.7 Q1.3 ; Q1.3 24.13,44.9 ; Q1.3 24.13,44.9 ; v1(23.96,42.53) v1(22.05,42.53) ; v1(23.96,42.53) v1(22.05,42.53) ; v1(22.05,42.53) 20.78,42.53 ; v1(22.05,42.53) 20.78,42.53 ; 20.78,42.53 v1(18.88,42.53) ; 20.78,42.53 20.78,44.44 ; 20.78,42.53 20.78,44.44 ; 20.78,42.53 v1(18.88,42.53) ; v1(18.88,42.53) v1(15.7,42.53) ; v1(18.88,42.53) v1(15.7,42.53) ; v1(15.7,42.53) v1(12.53,42.53) v1(15.7,42.53) ; 20.15,45.07 20.78,44.44 ; 20.15,45.07 20.78,44.44 ; 24.13,44.9 v1(23.96,45.07) ; 24.13,44.9 v1(23.96,45.07) ; v1(23.96,45.07) v1(22.05,45.07) v1(23.96,45.07)
  Bottom w0.254: 11.38,47.61 11.38,48.12 9.86,49.64 v1(8.46,49.64)
Net-(Q2-Pad1): length 2.7
  Top w0.254: RP1.4 28.34,37.52 27.96,37.13 Q2.1
Net-(Q2-Pad3): length 63
  Top w0.254: v1(8.46,48.37) 8.46,48.38 R11.1
  Top w0.406: v1(15.7,39.36) v1(18.88,39.36) ; v1(15.7,39.36) v1(12.53,39.36) v1(15.7,39.36) ; v1(15.7,39.36) v1(18.88,39.36) ; v1(18.88,39.36) 20.15,39.36 ; v1(18.88,39.36) 20.15,39.36 ; 24.13,36.99 Q2.3 ; 24.13,36.99 v1(23.96,36.82) ; 24.13,36.99 v1(23.96,36.82) ; 24.13,36.99 Q2.3 ; Q2.3 24.13,39.19 ; Q2.3 24.13,39.19 ; v1(23.96,36.82) v1(22.05,36.82) ; v1(23.96,36.82) v1(22.05,36.82) ; v1(22.05,36.82) 20.78,36.82 ; v1(22.05,36.82) 20.78,36.82 ; 20.78,36.82 v1(18.88,36.82) ; 20.78,36.82 20.78,38.72 ; 20.78,36.82 20.78,38.72 ; 20.78,36.82 v1(18.88,36.82) ; v1(18.88,36.82) v1(15.7,36.82) ; v1(18.88,36.82) v1(15.7,36.82) ; v1(15.7,36.82) v1(12.53,36.82) v1(15.7,36.82) ; 20.15,39.36 20.78,38.72 ; 20.15,39.36 20.78,38.72 ; 24.13,39.19 v1(23.96,39.36) ; 24.13,39.19 v1(23.96,39.36) ; v1(23.96,39.36) v1(22.05,39.36) v1(23.96,39.36)
  Bottom w0.254: 10.87,40.88 10.87,47.1 9.6,48.37 v1(8.46,48.37)
Net-(Q3-Pad1): length 3.1
  Top w0.203: 26.53,31.42 26.34,31.42 Q3.1
  Top w0.254: 26.53,31.42 27.88,32.77 RP2.2
Net-(Q3-Pad3): length 67.3
  Top w0.254: v1(8.46,47.1) 8.46,47.11 R10.1
  Top w0.406: v1(15.7,33.64) v1(18.88,33.64) ; v1(15.7,33.64) v1(12.53,33.64) v1(15.7,33.64) ; v1(15.7,33.64) v1(18.88,33.64) ; v1(18.88,33.64) 20.15,33.64 ; v1(18.88,33.64) 20.15,33.64 ; 24.13,31.27 Q3.3 ; 24.13,31.27 v1(23.96,31.1) ; 24.13,31.27 v1(23.96,31.1) ; 24.13,31.27 Q3.3 ; Q3.3 24.13,33.47 ; Q3.3 24.13,33.47 ; v1(23.96,31.1) v1(22.05,31.1) ; v1(23.96,31.1) v1(22.05,31.1) ; v1(22.05,31.1) 20.78,31.1 ; v1(22.05,31.1) 20.78,31.1 ; 20.78,31.1 v1(18.88,31.1) ; 20.78,31.1 20.78,33.01 ; 20.78,31.1 20.78,33.01 ; 20.78,31.1 v1(18.88,31.1) ; v1(18.88,31.1) v1(15.7,31.1) ; v1(18.88,31.1) v1(15.7,31.1) ; v1(15.7,31.1) v1(12.53,31.1) v1(15.7,31.1) ; 20.15,33.64 20.78,33.01 ; 20.15,33.64 20.78,33.01 ; 24.13,33.47 v1(23.96,33.64) ; 24.13,33.47 v1(23.96,33.64) ; v1(23.96,33.64) v1(22.05,33.64) v1(23.96,33.64)
  Bottom w0.254: 10.62,35.16 10.37,35.42 10.37,46.21 9.48,47.1 v1(8.46,47.1)
Net-(Q4-Pad1): length 11.7
  Top w0.203: v1(30.22,28.82) 29.14,29.9 29.14,31.04 29,31.17 RP2.4 ; 26.28,25.71 Q4.1
  Top w0.254: v1(26.28,23.74) 26.28,25.71
  Bottom w0.254: v1(30.22,28.82) 30.22,27.67 v1(26.28,23.74)
Net-(Q4-Pad3): length 74.4
  Top w0.254: v1(8.46,45.83) 8.46,45.83 R9.1
  Top w0.406: 24.13,25.56 v1(23.96,25.39) ; 24.13,25.56 Q4.3 ; 24.13,25.56 v1(23.96,25.39) ; 24.13,25.56 v1(23.96,25.39) ; 24.13,25.56 Q4.3 ; 24.13,25.56 Q4.3 ; v1(23.96,25.39) v1(22.05,25.39) ; v1(23.96,25.39) v1(22.05,25.39) ; 24.13,27.76 v1(23.96,27.93) ; 24.13,27.76 Q4.3 ; 24.13,27.76 v1(23.96,27.93) ; 24.13,27.76 v1(23.96,27.93) ; 24.13,27.76 Q4.3 ; 24.13,27.76 Q4.3 ; v1(23.96,27.93) v1(22.05,27.93) v1(23.96,27.93) ; v1(15.7,27.93) v1(18.88,27.93) ; v1(15.7,27.93) v1(12.53,27.93) v1(15.7,27.93) ; v1(15.7,27.93) v1(18.88,27.93) ; v1(18.88,27.93) 20.15,27.93 ; v1(18.88,27.93) 20.15,27.93 ; v1(22.05,25.39) 20.78,25.39 ; v1(22.05,25.39) 20.78,25.39 ; 20.78,25.39 v1(18.88,25.39) ; 20.78,25.39 20.78,27.29 ; 20.78,25.39 20.78,27.29 ; 20.78,25.39 v1(18.88,25.39) ; v1(18.88,25.39) v1(15.7,25.39) ; v1(18.88,25.39) v1(15.7,25.39) ; v1(15.7,25.39) v1(12.53,25.39) v1(15.7,25.39) ; 20.15,27.93 20.78,27.29 ; 20.15,27.93 20.78,27.29
  Bottom w0.254: 10.62,29.45 10.37,29.45 10.11,29.7 10.11,34.66 9.86,34.91 9.86,45.2 9.22,45.83 v1(8.46,45.83)
Net-(Q5-Pad1): length 8.4
  Top w0.203: 26.66,20.31 26.28,19.93 Q5.1
  Top w0.254: 26.66,20.31 27.17,20.31 27.42,20.56 27.42,25.64 28.2,26.42 RP3.2
Net-(Q5-Pad3): length 76
  Top w0.254: v1(8.46,44.56) 8.46,44.56 R8.1
  Top w0.406: 24.13,19.84 v1(23.96,19.67) ; 24.13,19.84 v1(23.96,19.67) ; 24.13,19.84 Q5.3 ; 24.13,19.84 Q5.3 ; v1(23.96,19.67) v1(22.05,19.67) ; v1(23.96,19.67) v1(22.05,19.67) ; 20.15,22.21 20.78,21.58 ; 20.15,22.21 v1(18.88,22.21) ; 20.15,22.21 20.78,21.58 ; 20.15,22.21 v1(18.88,22.21) ; 20.78,21.58 20.78,19.67 ; 20.78,21.58 20.78,19.67 ; 20.78,19.67 v1(22.05,19.67) ; 20.78,19.67 v1(18.88,19.67) ; 20.78,19.67 v1(22.05,19.67) ; 20.78,19.67 v1(18.88,19.67) ; 24.13,22.04 v1(23.96,22.21) ; 24.13,22.04 v1(23.96,22.21) ; 24.13,22.04 Q5.3 ; 24.13,22.04 Q5.3 ; v1(23.96,22.21) v1(22.05,22.21) v1(23.96,22.21) ; v1(18.88,22.21) v1(15.7,22.21) ; v1(18.88,22.21) v1(15.7,22.21) ; v1(15.7,19.67) v1(12.53,19.67) v1(15.7,19.67) ; v1(15.7,19.67) v1(18.88,19.67) ; v1(15.7,19.67) v1(18.88,19.67) ; v1(15.7,22.21) v1(12.53,22.21) v1(15.7,22.21)
  Bottom w0.254: 10.62,23.73 10.37,23.73 10.11,23.99 10.11,28.69 9.6,29.2 9.6,34.28 9.35,34.53 9.35,44.18 8.97,44.56 v1(8.46,44.56)
Net-(Q6-Pad1): length 12.4
  Top w0.203: Q6.1 26.28,14.21 26.53,14.47 27.55,14.47 28.31,15.23 28.31,18.28 28.91,18.87 RP3.4
Net-(Q6-Pad3): length 80.2
  Top w0.254: R7.1 v1(8.5,43.3)
  Top w0.406: v1(15.7,16.5) v1(18.88,16.5) ; v1(15.7,16.5) v1(12.53,16.5) v1(15.7,16.5) ; v1(15.7,16.5) v1(18.88,16.5) ; v1(18.88,16.5) 20.15,16.5 ; v1(18.88,16.5) 20.15,16.5 ; 24.13,14.13 Q6.3 ; 24.13,14.13 v1(23.96,13.96) ; 24.13,14.13 v1(23.96,13.96) ; 24.13,14.13 Q6.3 ; Q6.3 24.13,16.33 ; Q6.3 24.13,16.33 ; v1(23.96,13.96) v1(22.05,13.96) ; v1(23.96,13.96) v1(22.05,13.96) ; v1(22.05,13.96) 20.78,13.96 ; v1(22.05,13.96) 20.78,13.96 ; 20.78,13.96 v1(18.88,13.96) ; 20.78,13.96 20.78,15.86 ; 20.78,13.96 20.78,15.86 ; 20.78,13.96 v1(18.88,13.96) ; v1(18.88,13.96) v1(15.7,13.96) ; v1(18.88,13.96) v1(15.7,13.96) ; v1(15.7,13.96) v1(12.53,13.96) v1(15.7,13.96) ; 20.15,16.5 20.78,15.86 ; 20.15,16.5 20.78,15.86 ; 24.13,16.33 v1(23.96,16.5) ; 24.13,16.33 v1(23.96,16.5) ; v1(23.96,16.5) v1(22.05,16.5) v1(23.96,16.5)
  Bottom w0.254: 10.62,18.02 10.37,18.02 10.11,18.27 10.11,22.97 9.6,23.48 9.6,28.18 9.1,28.69 9.1,33.89 8.84,34.15 8.84,42.91 8.5,43.26 v1(8.5,43.3)
Net-(Q7-Pad3): length 6.1
  Top w0.203: 63.5,45.06 63.36,45.2 R17.2 ; 65.78,45.07 R16.1 ; Q7.3 64.89,48.12
  Top w0.254: 64.89,48.12 65.78,47.23 65.78,45.07 ; R16.1 63.5,45.06
Net-(R1-Pad2): length 2.8
  Top w0.203: 43.68,30.34 43.54,30.2 U1.32 ; 43.68,30.34 43.7,30.37 ; 43.68,30.34 43.8,30.47 45.05,30.47 R1.2 45.3,30.37
Net-(R2-Pad1): length 5.9
  Top w0.203: 46.84,27.67 46.84,29.72 46.6,29.96 44.02,29.96 43.77,29.7 U1.31
Net-(R2-Pad2): length 27.2
  Top w0.203: 45.34,29.2 45.33,29.2 U1.30
  Top w0.254: TH1.1 v1(28.53,29.2) ; v1(44.53,29.2) R2.2
  Bottom w0.254: 32.25,30.21 29.54,30.21 v1(28.53,29.2) ; 32.25,30.21 32.25,30.21 33.14,29.32 33.14,26.4 33.65,25.89 36.56,25.89 ; 32.25,30.21 32.21,30.21 ; 36.56,25.89 43.89,25.89 44.53,26.53 v1(44.53,29.2) ; 36.56,25.89 36.53,25.89
Net-(U2-Pad2): length 2.4
  Top w0.203: U3.3 34.79,10.78 35.55,11.54 U2.2

## Copper pours and planes (outline as drawn; the poured copper is in the pictures)
GND on Top: 69.71,0.24 0.37,0.24 0.37,59.68 69.71,59.68
GND on Bottom: 69.71,0.24 0.37,0.24 0.37,59.68 69.71,59.68
ThermalGnd on Bottom: 36.44,36.31 43.01,36.31 43.01,26.15 36.4,26.15 36.4,26.15 33.39,26.15 33.39,29.16 31.83,30.72 31.87,30.76 31.87,36.31 36.44,36.31
Net-(Q1-Pad3) on Top: 24.97,41.13 10.49,41.13 10.49,46.47 24.97,46.47 24.97,44.44 23.45,44.44 23.45,43.17 24.97,43.17
Net-(Q1-Pad3) on Bottom: 27.77,41.26 11.26,41.26 11.26,47.74 27.77,47.74
Net-(Q2-Pad3) on Top: 24.97,35.42 10.49,35.42 10.49,40.75 24.97,40.75 24.97,38.72 23.45,38.72 23.45,37.45 24.97,37.45
Net-(Q2-Pad3) on Bottom: 27.77,35.55 10.75,35.55 10.75,41.01 27.77,41.01
Net-(Q3-Pad3) on Top: 24.97,29.7 10.49,29.7 10.49,35.04 24.97,35.04 24.97,33.01 23.45,33.01 23.45,31.74 24.97,31.74
Net-(Q3-Pad3) on Bottom: 27.77,29.83 10.49,29.83 10.49,35.29 27.77,35.29
Net-(Q4-Pad3) on Top: 24.97,23.99 10.49,23.99 10.49,29.32 24.97,29.32 24.97,27.29 23.45,27.29 23.45,26.02 24.97,26.02
Net-(Q4-Pad3) on Bottom: 27.77,24.12 10.49,24.12 10.49,29.58 27.77,29.58
Net-(Q5-Pad3) on Top: 24.97,18.27 10.49,18.27 10.49,23.61 24.97,23.61 24.97,21.58 23.45,21.58 23.45,20.31 24.97,20.31
Net-(Q5-Pad3) on Bottom: 27.77,18.4 10.49,18.4 10.49,23.86 27.77,23.86
Net-(Q6-Pad3) on Top: 24.97,12.3 10.49,12.3 10.49,17.89 24.97,17.89 24.97,15.86 23.45,15.86 23.45,14.59 24.97,14.59
Net-(Q6-Pad3) on Bottom: 27.77,12.18 10.49,12.18 10.49,18.15 27.77,18.15

## Text on the board
Top: rLoop Power BMS v1 / 20160527A
F.SilkS: 6 | 5 | 4 | 3 | 2 | 1 | BATTERY | DISCHG
